# Altium PCB JacdacMicroBitBackPackHi-Alt0 119.PcbDoc
Units mm, origin at the board's own origin, x right, y up, seen from the top; angles counter-clockwise.
Board outline 51.6 x 45.53 mm, 2 copper layers (Top Layer, Bottom Layer), stack 1.525 mm thick; 50 components, 24 nets, 136 pads, 26 vias.
Unrouted connection lines stored in the file: 14.
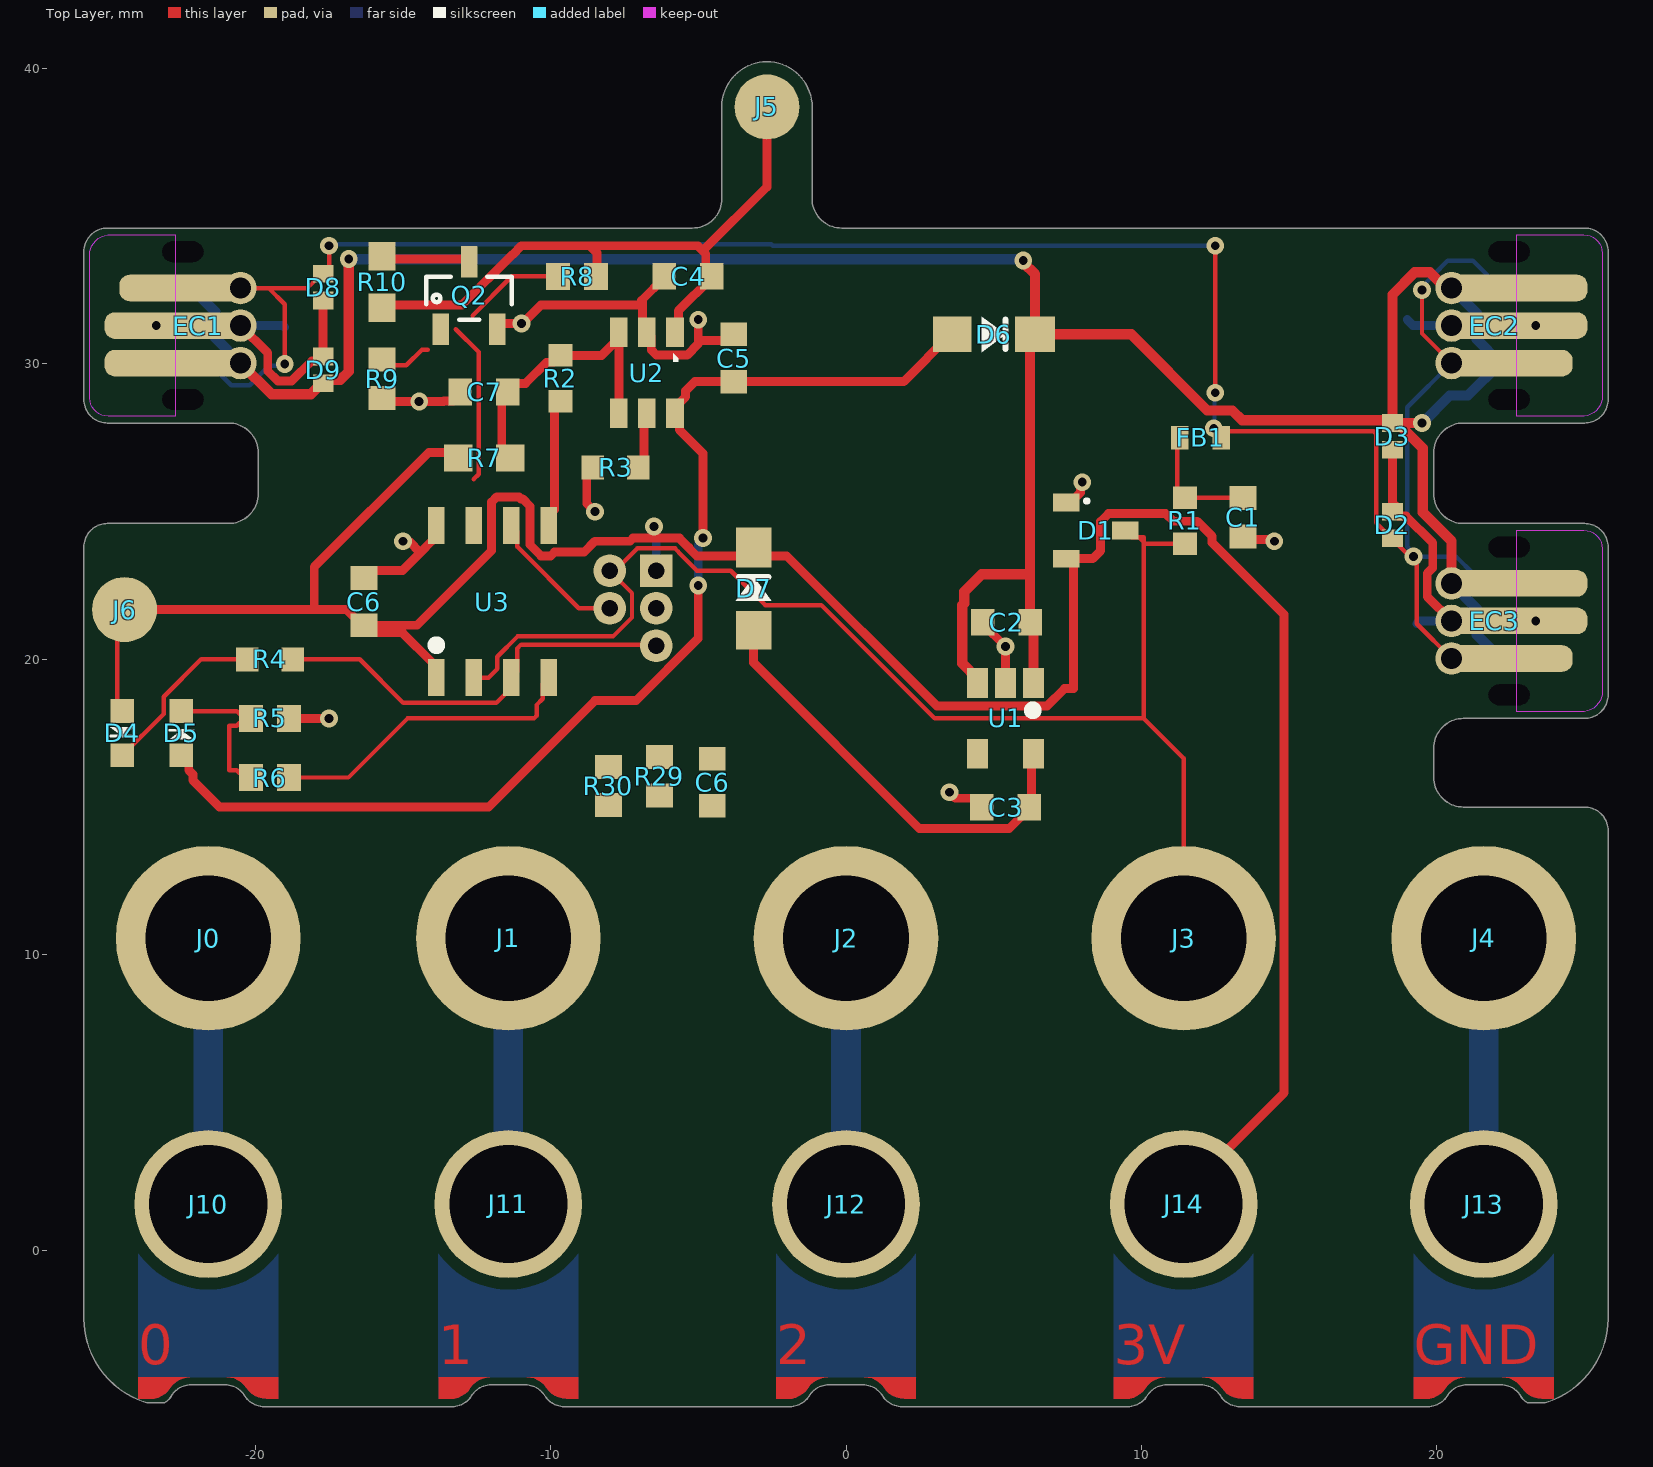
[diagram p0: Top Layer view]
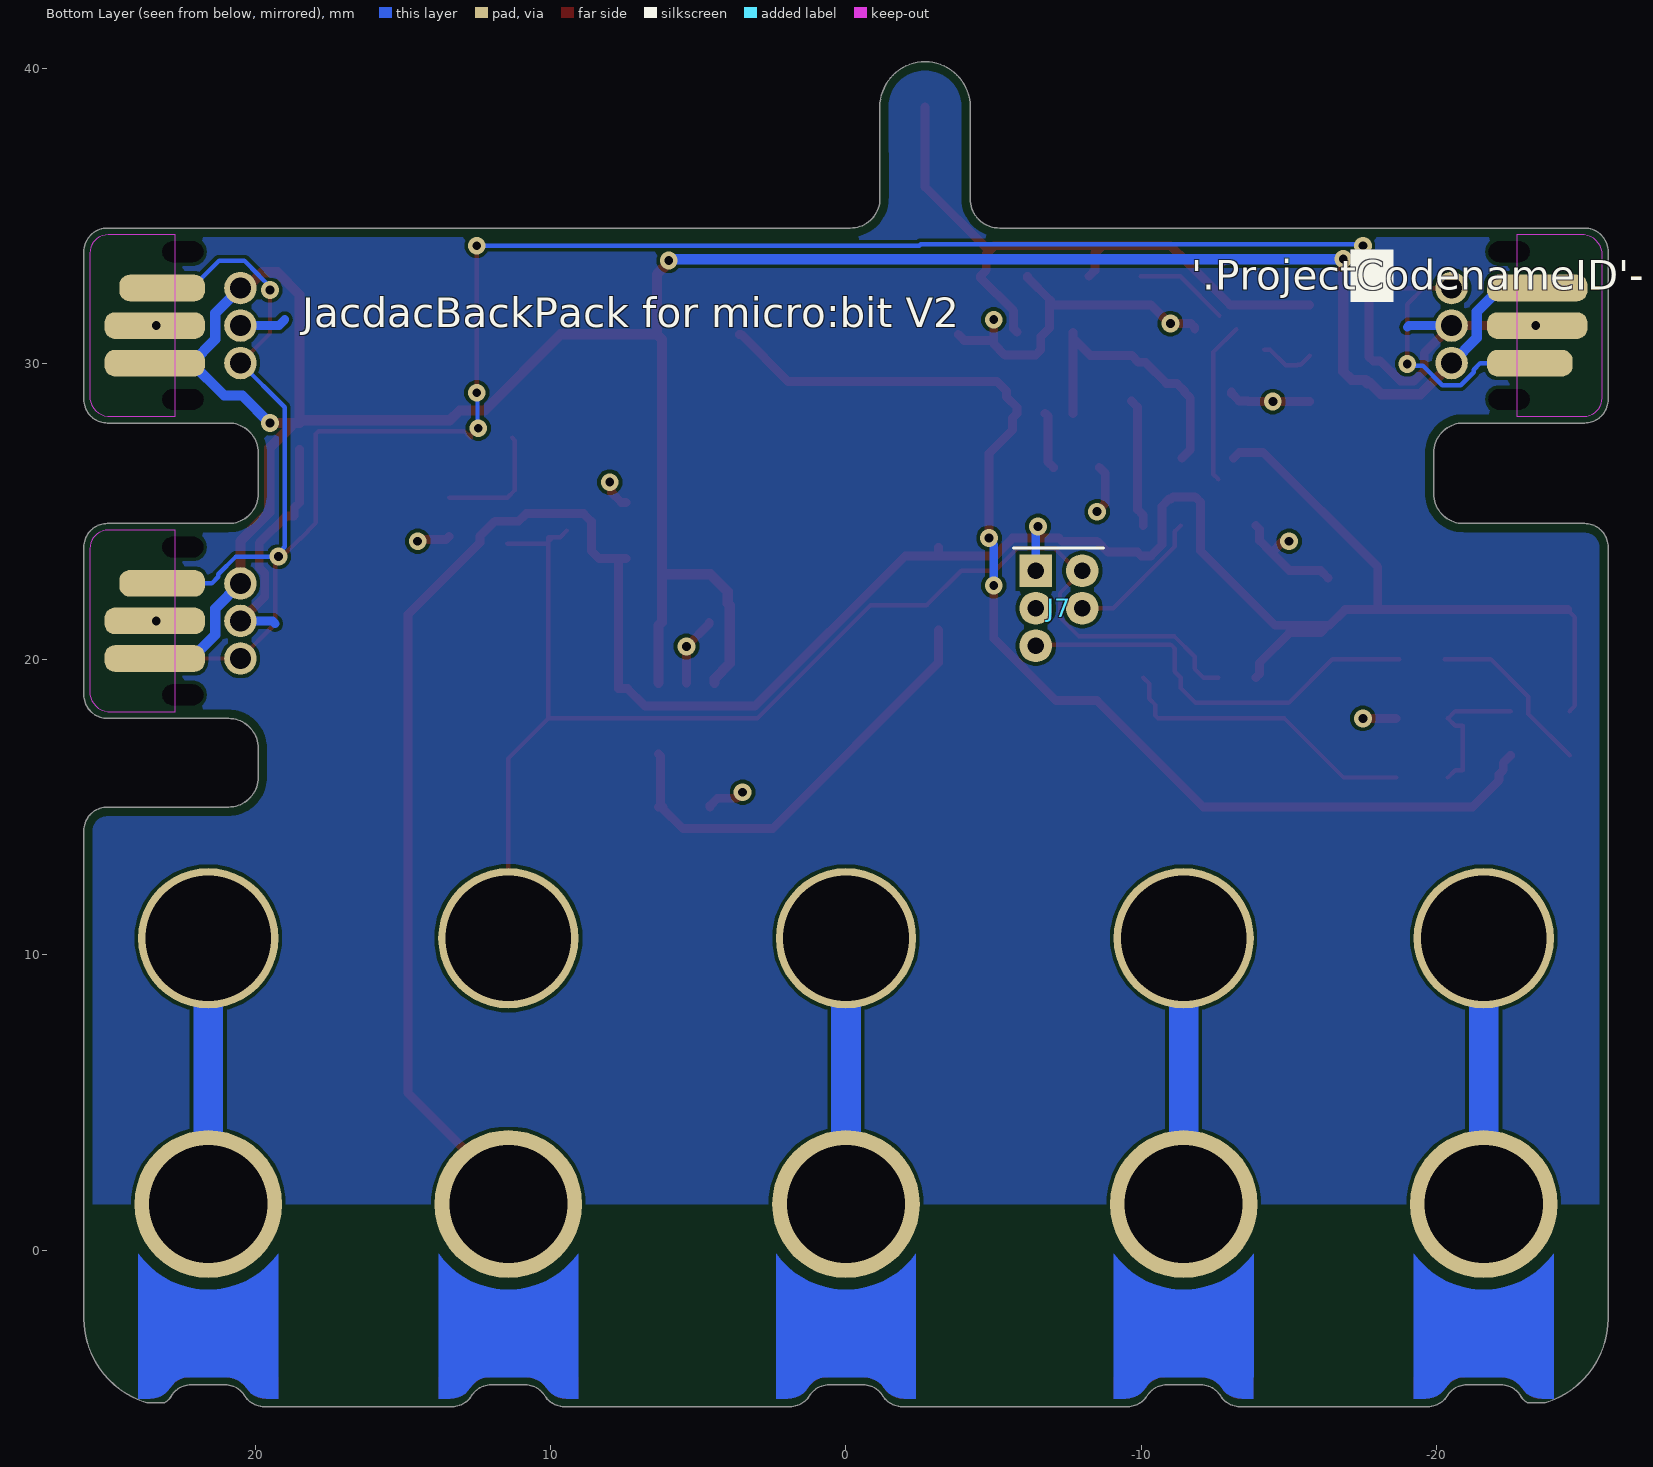
[diagram p1: Bottom Layer view, seen from below]
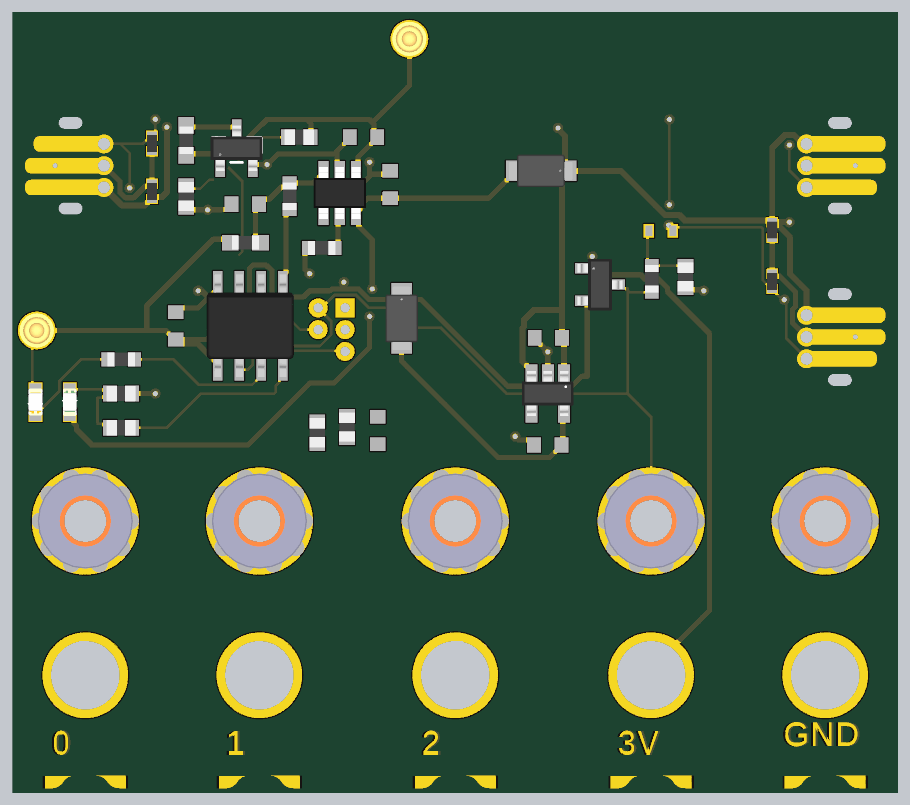
[diagram p2: 3D render of the assembled board from above, using the file's embedded part models]

## Layer stack, top to bottom
Top Solder: solder mask 0.0102, Solder Resist, Dk 3.5
Top Layer: signal copper 0.0356
Dielectric 1: core 1.454, FR-4, Dk 4.2
Bottom Layer: signal copper 0.0356
Bottom Solder: solder mask 0.0102, Solder Resist, Dk 3.5

## Board outline
-19.693,-5.299 -13.337,-5.3 -13.337,-5.299 ccw(c-13.337,-4.515) -12.648,-4.889 cw(c-12.01,-5.343) -12.01,-4.56 -12.01,-4.561 -10.86,-4.561 -10.86,-4.56 cw(c-10.86,-5.343) -10.222,-4.889 ccw(c-9.532,-4.515) -9.532,-5.299 -9.532,-5.3 -2.422,-5.3 -1.907,-5.3 -1.907,-5.299 ccw(c-1.907,-4.515) -1.218,-4.889 cw(c-0.58,-5.343) -0.58,-4.56 -0.58,-4.561 0.57,-4.561 0.57,-4.56 cw(c0.57,-5.343) 1.208,-4.889 ccw(c1.898,-4.515) 1.898,-5.299 1.898,-5.3 2.413,-5.3 9.018,-5.3 9.533,-5.3 9.533,-5.299 ccw(c9.533,-4.515) 10.222,-4.889 cw(c10.86,-5.343) 10.86,-4.56 10.86,-4.561 12.01,-4.561 12.01,-4.56 cw(c12.01,-5.343) 12.648,-4.889 ccw(c13.337,-4.515) 13.337,-5.299 13.337,-5.3 19.693,-5.3 19.693,-5.299 ccw(c19.693,-4.515) 20.382,-4.889 cw(c21.02,-5.343) 21.02,-4.56 21.02,-4.561 22.171,-4.561 22.171,-4.56 cw(c22.171,-5.343) 22.809,-4.889 22.808,-4.889 ccw(c23.498,-4.515) 23.069,-5.172 23.069,-5.173 23.662,-5.173 ccw(c22.8,-2.3) 25.8,-2.3 25.8,14.2 ccw(c25,14.2) 25,15 20.9,15 cw(c20.9,16) 19.9,16 19.901,16 19.9,17 cw(c20.9,17) 20.9,18 25,18 ccw(c25,18.8) 25.8,18.8 25.8,23.8 ccw(c25,23.8) 25,24.6 20.9,24.6 cw(c20.9,25.6) 19.9,25.6 19.899,25.6 19.898,27 19.9,27 cw(c20.9,27) 20.9,28 25,28 ccw(c25,28.8) 25.8,28.8 25.8,33.8 ccw(c25,33.8) 25,34.6 -0.15,34.6 cw(c-0.15,35.6) -1.15,35.6 -1.15,38.7 -1.145,38.7 ccw(c-2.675,38.7) -4.205,38.7 -4.2,38.7 -4.2,35.6 cw(c-5.2,35.6) -5.2,34.6 -25,34.6 ccw(c-25,33.8) -25.8,33.8 -25.8,28.8 ccw(c-25,28.8) -25,28 -25.001,28 -20.9,28 cw(c-20.9,27) -19.9,27 -19.898,27 -19.899,25.6 -19.9,25.6 cw(c-20.9,25.6) -20.9,24.6 -25,24.6 ccw(c-25,23.8) -25.8,23.8 -25.8,14.2 -25.8,-2.3 ccw(c-22.8,-2.3) -23.662,-5.173 -23.069,-5.173 -23.069,-5.172 ccw(c-23.498,-4.515) -22.808,-4.889 -22.809,-4.889 cw(c-22.171,-5.343) -22.171,-4.56 -22.171,-4.561 -21.02,-4.561 -21.02,-4.56 cw(c-21.02,-5.343) -20.382,-4.889 ccw(c-19.693,-4.515)

## Design rules (kind name [scope] priority, off if disabled: settings)
AssemblyTestPointUsage [All] p1: valid=2
BoardOutlineClearance [All] p1: gap=0.3 ignorepadtopadclearanceinfootprint=FALSE except(0: Arc-SplitContinuation Track-SplitContinuation SMDPad-SplitContinuation THPad-SplitContinuation Via-SplitContinuation Fill-SplitContinuation Poly-SplitContinuation Region-OutlineEdge Region-SplitContinuation Text-OutlineEdge Text-SplitContinuation; 0.2: Track-OutlineEdge Fill-CavityEdge Fill-CutoutEdge Fill-SplitBarrior Poly-CavityEdge Poly-CutoutEdge Poly-SplitBarrior Text-CavityEdge Text-CutoutEdge Text-SplitBarrior; 0.25: SMDPad-OutlineEdge)
Clearance "Clearance MH" [InComponent('MH1') OR InComponent('MH2') OR InComponent('MH3') OR InComponent('MH4')] p1: gap=0.125 ignorepadtopadclearanceinfootprint=FALSE except(0: Arc-Hole Track-Hole SMDPad-Hole THPad-Hole Via-Hole Fill-Hole Poly-Hole Region-Hole Text-Hole; 0.8: Arc-Fill Arc-Poly Arc-Region Track-Fill Track-Poly Track-Region SMDPad-Fill SMDPad-Poly SMDPad-Region THPad-Fill THPad-Poly THPad-Region Via-Fill Via-Poly Via-Region Fill-Fill Fill-Poly Fill-Region Poly-Poly Poly-Region Region-Region)
Clearance [All] p2: gap=0.125 ignorepadtopadclearanceinfootprint=FALSE except(0: Arc-Hole Track-Hole SMDPad-Hole THPad-Hole Via-Hole Fill-Hole Poly-Hole Region-Hole Text-Hole)
ComponentClearance [All] p1: gap=0.1 collisioncheckmode=3 verticalgap=0.254 showdistances=FALSE
DiffPairsRouting [All] p1: maxlimit=2 minlimit=0.15 mostfreqgap=0.15 toplayer_minwidth=0.15 toplayer_maxwidth=2 toplayer_prefwidth=0.15 bottomlayer_minwidth=0.15 bottomlayer_maxwidth=2 bottomlayer_prefwidth=0.15 substack1={CB9D278B-8BF5-444A-AAF4-837A2A9DF42D} toplayer_{cb9d278b-8bf5-444a-aaf4-837a2a9df42d}_minwidth=0.381 toplayer_{cb9d278b-8bf5-444a-aaf4-837a2a9df42d}_maxwidth=0.381 toplayer_{cb9d278b-8bf5-444a-aaf4-837a2a9df42d}_prefwidth=0.381 bottomlayer_{cb9d278b-8bf5-444a-aaf4-837a2a9df42d}_minwidth=0.381 bottomlayer_{cb9d278b-8bf5-444a-aaf4-837a2a9df42d}_maxwidth=0.381 bottomlayer_{cb9d278b-8bf5-444a-aaf4-837a2a9df42d}_prefwidth=0.381 substack2={826B8647-A721-4255-895A-19F9591B9CD1} toplayer_{826b8647-a721-4255-895a-19f9591b9cd1}_minwidth=0.381 toplayer_{826b8647-a721-4255-895a-19f9591b9cd1}_maxwidth=0.381 toplayer_{826b8647-a721-4255-895a-19f9591b9cd1}_prefwidth=0.381 bottomlayer_{826b8647-a721-4255-895a-19f9591b9cd1}_minwidth=0.381 bottomlayer_{826b8647-a721-4255-895a-19f9591b9cd1}_maxwidth=0.381 bottomlayer_{826b8647-a721-4255-895a-19f9591b9cd1}_prefwidth=0.381 substack3={E64FCAF4-1BC8-437D-B1E0-0E5F2DC0F59E} toplayer_{e64fcaf4-1bc8-437d-b1e0-0e5f2dc0f59e}_minwidth=0.381 toplayer_{e64fcaf4-1bc8-437d-b1e0-0e5f2dc0f59e}_maxwidth=0.381 toplayer_{e64fcaf4-1bc8-437d-b1e0-0e5f2dc0f59e}_prefwidth=0.381 bottomlayer_{e64fcaf4-1bc8-437d-b1e0-0e5f2dc0f59e}_minwidth=0.381 bottomlayer_{e64fcaf4-1bc8-437d-b1e0-0e5f2dc0f59e}_maxwidth=0.381 bottomlayer_{e64fcaf4-1bc8-437d-b1e0-0e5f2dc0f59e}_prefwidth=0.381 substack4={E61CE66C-507C-4E1E-8E83-C905434AFC1C} toplayer_{e61ce66c-507c-4e1e-8e83-c905434afc1c}_minwidth=0.381 toplayer_{e61ce66c-507c-4e1e-8e83-c905434afc1c}_maxwidth=0.381 toplayer_{e61ce66c-507c-4e1e-8e83-c905434afc1c}_prefwidth=0.381 bottomlayer_{e61ce66c-507c-4e1e-8e83-c905434afc1c}_minwidth=0.381 bottomlayer_{e61ce66c-507c-4e1e-8e83-c905434afc1c}_maxwidth=0.381 bottomlayer_{e61ce66c-507c-4e1e-8e83-c905434afc1c}_prefwidth=0.381 maxuncoupledlength=25
FabricationTestPointUsage [All] p1: valid=2 allowmultiple=FALSE
HoleSize [All] p1: absolutevalues=TRUE maxlimit=5 minlimit=0.15 maxpercent=80.000 minpercent=20.000
MinimumAnnularRing [All] p1: minimumring=0.125
MinimumSolderMaskSliver [All] p1: minsoldermaskwidth=0.005
PasteMaskExpansion [All] p1: expansion=0 percent=-25.000000
PlaneClearance [All] p1: clearance=0.3
PlaneConnect "PlaneConnect MH" [InComponent('MH1') OR InComponent('MH2') OR InComponent('MH3') OR InComponent('MH4')] p1: planeconnectstyle=Relief reliefexpansion=0.5 reliefentries=4 reliefconductorwidth=0.5 reliefairgap=0.4
PlaneConnect [All] p2: planeconnectstyle=Relief reliefexpansion=0.5 reliefentries=4 reliefconductorwidth=0.2 reliefairgap=0.3
PolygonConnect "PolygonConnect MH" [InComponent('MH1') OR InComponent('MH2') OR InComponent('MH3') OR InComponent('MH4')] p1: connectstyle=Relief reliefconductorwidth=0.5 reliefentries=4 polygonreliefangle="90 Angle" airgapwidth=0.8
PolygonConnect [All] p2: connectstyle=Relief reliefconductorwidth=0.2 reliefentries=4 polygonreliefangle="90 Angle" airgapwidth=0.2
RoutingVias [All] p1: holewidth=0.3 width=0.6 viastyle="Through Hole" minholewidth=0.3 minwidth=0.6 maxholewidth=0.5 maxwidth=0.8
SilkToSilkClearance [All] p1: silktosilkclearance=0.001
SilkToSolderMaskClearance [IsPad] p1: minsilkscreentomaskgap=0.05 clearancetoexposedcopper=TRUE
SolderMaskExpansion [All] p1: expansion=0.075 istentingtop=FALSE
Width [All] p1: maxlimit=2 minlimit=0.125 preferedwidth=0.15 substack1={CB9D278B-8BF5-444A-AAF4-837A2A9DF42D} toplayer_{cb9d278b-8bf5-444a-aaf4-837a2a9df42d}_minwidth=0.15 bottomlayer_{cb9d278b-8bf5-444a-aaf4-837a2a9df42d}_minwidth=0.15 substack2={826B8647-A721-4255-895A-19F9591B9CD1} toplayer_{826b8647-a721-4255-895a-19f9591b9cd1}_minwidth=0.15 bottomlayer_{826b8647-a721-4255-895a-19f9591b9cd1}_minwidth=0.15 substack3={E64FCAF4-1BC8-437D-B1E0-0E5F2DC0F59E} toplayer_{e64fcaf4-1bc8-437d-b1e0-0e5f2dc0f59e}_minwidth=0.15 bottomlayer_{e64fcaf4-1bc8-437d-b1e0-0e5f2dc0f59e}_minwidth=0.15 substack4={E61CE66C-507C-4E1E-8E83-C905434AFC1C} toplayer_{e61ce66c-507c-4e1e-8e83-c905434afc1c}_minwidth=0.15 bottomlayer_{e61ce66c-507c-4e1e-8e83-c905434afc1c}_minwidth=0.15 minimp=50.000000 maximp=50.000000 favimp=50.000000
19 further rules are at their usual default settings.

## Components (designator, comment, footprint, x,y, rotation, side; value= is the part's Value field where it differs from the comment)
C1 "33 pF" CC0603 13.434,24.809 r90 top
C2 "1uF 16V" "C0603 - without outline" 5.431,21.254 r0 top
C3 "1uF 16V" "C0603 - without outline" 5.4,15 r0 top
C4 "CL10A475KP8NNNC" "C0603 - without outline" -5.348,32.971 r0 top
C5 "CL10A475KP8NNNC" "C0603 - without outline" -3.8,30.2 r270 top
C6 "CL10A475KP8NNNC" "C0603 - without outline" -4.522,15.841 r90 top
C6 "1uF 16V" "C0603 - without outline" -16.318,21.954 r270 top
C7 "CL10A475KP8NNNC" "C0603 - without outline" -12.253,29.052 r0 top
D1 "BAT54S" "NXP-BAT54S-TO-236AB - WITHOUT OUTLINE" 8.45,24.359 r0 top
D2 "RCLAMP0521P-N" "TVS 0402 - XL" 18.5,24.55 r90 top
D3 "RCLAMP0521P-N" "TVS 0402 - XL" 18.5,27.55 r270 top
D4 "Everlight Elec'''" "0603 Orange" -24.5,17.5 r90 top
D5 "'''" "0603 Green" -22.5,17.5 r270 top
D6 "PMEG2010EH,115" SOD-123W 5,31 r180 top
D7 "PMEG2010ER,115" SOD-123W -3.13,22.388 r270 top
D8 "RCLAMP0521P-N" "TVS 0402 - XL" -17.7,32.6 r270 top
D9 "RCLAMP0521P-N" "TVS 0402 - XL" -17.7,29.8 r90 top
EC1 "3 pin JACDAC edge connector" JACDAC_EDGE_CONNECTOR_NO_TRACES -19.95,31.3 r90 top
EC2 "3 pin JACDAC edge connector" JACDAC_EDGE_CONNECTOR_NO_TRACES 19.95,31.3 r270 top
EC3 "3 pin JACDAC edge connector" JACDAC_EDGE_CONNECTOR_NO_TRACES 19.95,21.3 r270 top
FB1 "TDK MPZ1608S102ATA00" "TDK MPZ1608 0.8mm - without outline" 12,27.5 r180 top
J0 "SMT nut" SMTSO-M3-3ET -21.59,10.56 r0 top
J1 "SMT nut" SMTSO-M3-3ET -11.43,10.56 r0 top
J2 "SMT nut" SMTSO-M3-3ET 0,10.56 r0 top
J3 "SMT nut" SMTSO-M3-2ET 11.43,10.56 r0 top
J4 "SMT nut" SMTSO-M3-3ET 21.59,10.56 r0 top
J5 "Pogo pin" HARWIN-P70-1000045R -2.675,38.7 r0 top
J6 "Pogo pin" HARWIN-P70-1000045R -24.422,21.683 r0 top
J7 "Hack Connect Mini 1.27 mm pitch 2-row" HACK_CONNECT_MINI_5_X_1_27_0.559mm_TH -6.425,23 r0 bottom
J10 "micro:bit ring hole" MICROBIT_V2_EDGE_CONNECTOR_RING_P0 -21.59,1.56 r0 top
J11 "micro:bit ring hole" MICROBIT_V2_EDGE_CONNECTOR_RING_P1 -11.43,1.56 r0 top
J12 "micro:bit ring hole" Microbit_V2_Edge_Connector_Ring_P2 0,1.56 r0 top
J13 "micro:bit ring hole" Microbit_V2_Edge_Connector_Ring_GND 21.59,1.56 r0 top
J14 "micro:bit ring hole" Microbit_V2_Edge_Connector_Ring_3V 11.43,1.56 r0 top
Q2 "2N7002K" SOT23-ONS -12.76,32.319 r0 top
R1 "220R" RC0603 11.469,24.692 r270 top
R2 "220R" RC0603 -9.669,29.516 r90 top
R3 "28.7k" RC0603 -7.8,26.5 r0 top
R4 "1k" RC0603 -19.5,20 r0 top
R5 "RES0603_GENERIC" CC0603 -19.5,18 r180 top value=56kR
R6 "RES0603_GENERIC" CC0603 -19.5,16 r180 top value=33kR
R7 "1M" RC0603-M -12.242,26.81 r180 top
R8 "RES0603_GENERIC" CC0603 -9.103,32.967 r0 top value=10kR
R9 "RES0603_GENERIC" CC0603 -15.7,29.5 r90 top value=10kR
R10 "RC0603FR-0739RL" RC0603-M -15.7,32.775 r270 top
R29 "RES0603_GENERIC" CC0603 -6.322,16.041 r90 top value=22kR
R30 "RES0603_GENERIC" CC0603 -8.047,15.716 r90 top value=330kR
U1 "ME6211C33M5G-N" MICRONE-SOT23-5 5.4,18 r270 top
U2 "TPS2553DBVR" "TI-TPS2553 - without_outline" -6.741,29.7 r270 top
U3 "PFS122-S08" SOP-8 -11.967,21.956 r90 top

## Footprints (in the part's own frame and the unit in brackets; to place one, negate y for a bottom-side part, rotate by r counter-clockwise, add the part's x,y. Pads: shape width x height; smd on the part's side, far side on the other; paste and mask are expansions set on the pad)
"0603 Green" [mm]
  rect 0.8x0.8 smd paste-0.05: 1(-0.75,0) 2(0.75,0)
  silkscreen extent -0.1,-0.4 0.2,0.4, body extent -0.79,-0.4 0.81,0.4, height 0.4
"0603 Orange" [mm]
  rect 0.8x0.8 smd paste-0.05: 1(-0.75,0) 2(0.75,0)
  silkscreen extent -0.1,-0.4 0.2,0.4, body extent -0.79,-0.4 0.81,0.4, height 0.4
"C0603 - without outline" [mm]
  rect 0.8x0.9 smd: 1(-0.8,0) 2(0.8,0)
  body extent -0.9,-0.5 0.9,0.5, height 0.9
CC0603 [mil]
  rect 32x36 smd: 1(-25.5,0) 2(25.5,0)
  body extent -33,-18 34,18, height 36
HACK_CONNECT_MINI_5_X_1_27_0.559mm_TH [mm] "50mil by 62mil pitch 22mil TH"
  rect 1.11x1.11 hole 0.559: 1(0,0)
  round 1.11 hole 0.559: 2(-1.575,0) 3(0,1.27) 4(-1.575,1.27) 5(0,2.54)
  silkscreen extent -2.29,-0.76 0.76,-0.76
HARWIN-P70-1000045R [mm] "pogo pin 2.7-3.0mm"
  round 2.2 smd paste-0.2: 1(0,0)
  body extent -1,-1 1,1, height 3.5
JACDAC_EDGE_CONNECTOR_NO_TRACES [mm] "Jacdac 3 pin connector with no traces"
  rrect78% 0.9x2.9 smd far side paste-1 mask+0: 1(-1.27,3.2)
  rrect78% 0.9x4.3 smd paste-1 mask+0: 1(1.27,2.5)
  round 1.1 hole 0.71 paste-0.254 mask+0: 1(1.27,0.55) 2(0,0.55) 3(-1.27,0.55)
  rrect78% 0.9x3.4 smd far side paste-1 mask+0: 2(0,3.45) 2(0,3.45) 3(1.27,3.45)
  rrect78% 0.9x4.8 smd paste-1 mask+0: 2(0,2.75) 3(-1.27,2.75)
  round 0 hole 0.7 slot 1.4 at 90 deg unplated: ""(-2.5,2.5) ""(2.5,2.5)
  Top Layer keep-out region: -3.075,2.75 -3.07,5.033 -2.987,5.341 -2.761,5.567 -2.453,5.65 -2.453,5.65 2.27,5.65 2.545,5.635 2.794,5.516 2.978,5.31 3.07,5.05 3.07,5.05 3.07,2.75
  Bottom Layer lines w0.2: -1.27,0.85 -1.126,0.85
  Bottom Layer keep-out region: -3.07,2.75 -3.07,5.033 -3.023,5.269 -2.889,5.469 -2.689,5.603 -2.453,5.65 -2.453,5.65 2.27,5.65 2.546,5.635 2.794,5.516 2.978,5.31 3.07,5.05 3.07,5.05 3.07,2.75
Microbit_V2_Edge_Connector_Ring_3V [mm]
  round 5 hole 4 paste-5: 1(0,0)
  Top Layer region: -0.622,-5.867 -0.998,-5.961 -1.285,-6.22 -1.285,-6.22 -1.284,-6.221 -1.574,-6.497 -1.962,-6.597 -1.962,-6.597 -1.962,-6.597 -2.362,-6.598 -2.362,-5.867
  Top Layer region: 0.625,-5.863 1.001,-5.956 1.288,-6.215 1.288,-6.215 1.286,-6.217 1.577,-6.492 1.965,-6.593 1.965,-6.593 1.965,-6.593 2.365,-6.594 2.365,-5.863
  Bottom Layer region: -0.622,-5.863 -0.998,-5.957 -1.285,-6.216 -1.285,-6.216 -1.284,-6.217 -1.574,-6.493 -1.962,-6.593 -1.962,-6.593 -1.962,-6.593 -2.362,-6.595 -2.362,-5.864
  Bottom Layer region: 0.625,-5.859 1.001,-5.953 1.288,-6.212 1.288,-6.212 1.286,-6.213 1.577,-6.489 1.965,-6.589 1.965,-6.589 1.965,-6.589 2.365,-6.59 2.365,-5.859
  Bottom Layer region: -2.365,-5.863 -2.365,-1.675 -1.331,-2.573 0,-2.896 1.331,-2.573 2.365,-1.675 2.365,-1.675 2.365,-5.859 2.37,-5.863
Microbit_V2_Edge_Connector_Ring_GND [mm]
  round 5 hole 4 paste-5: 1(0,0)
  Top Layer region: -0.622,-5.867 -0.998,-5.961 -1.285,-6.22 -1.285,-6.22 -1.284,-6.221 -1.574,-6.497 -1.962,-6.597 -1.962,-6.597 -1.962,-6.597 -2.362,-6.598 -2.362,-5.867
  Top Layer region: 0.625,-5.863 1.001,-5.956 1.288,-6.215 1.288,-6.215 1.286,-6.217 1.577,-6.492 1.965,-6.593 1.965,-6.593 1.965,-6.593 2.365,-6.594 2.365,-5.863
  Bottom Layer region: -0.622,-5.863 -0.998,-5.957 -1.285,-6.216 -1.285,-6.216 -1.284,-6.217 -1.574,-6.493 -1.962,-6.593 -1.962,-6.593 -1.962,-6.593 -2.362,-6.595 -2.362,-5.864
  Bottom Layer region: 0.625,-5.859 1.001,-5.953 1.288,-6.212 1.288,-6.212 1.286,-6.213 1.577,-6.489 1.965,-6.589 1.965,-6.589 1.965,-6.589 2.365,-6.59 2.365,-5.859
  Bottom Layer region: -2.365,-5.863 -2.365,-1.675 -1.331,-2.573 0,-2.896 1.331,-2.573 2.365,-1.675 2.365,-1.675 2.365,-5.859 2.37,-5.863
MICROBIT_V2_EDGE_CONNECTOR_RING_P0 [mm]
  round 5 hole 4 paste-5: 1(0,0)
  Top Layer region: 0.625,-5.863 1.001,-5.956 1.288,-6.215 1.288,-6.215 1.286,-6.217 1.577,-6.492 1.965,-6.593 1.965,-6.593 1.965,-6.593 2.365,-6.594 2.365,-5.863
  Top Layer region: -0.622,-5.867 -0.998,-5.961 -1.285,-6.22 -1.285,-6.22 -1.284,-6.221 -1.574,-6.497 -1.962,-6.597 -1.962,-6.597 -1.962,-6.597 -2.362,-6.598 -2.362,-5.867
  Bottom Layer region: -2.365,-5.863 -2.365,-1.675 -1.331,-2.573 0,-2.896 1.331,-2.573 2.365,-1.675 2.365,-1.675 2.365,-5.859 2.37,-5.863